# Altium PCB ANALOG_Mezzanine.PcbDoc (part 2 of 3)
Units mm, origin at the board's own origin, x right, y up, seen from the top; angles counter-clockwise.
Board outline 133.2 x 100 mm, 4 copper layers (Top Layer, Mid-Layer 1, Mid-Layer 2, Bottom Layer), stack 2.051 mm thick; 365 components, 255 nets, 1154 pads, 339 vias.
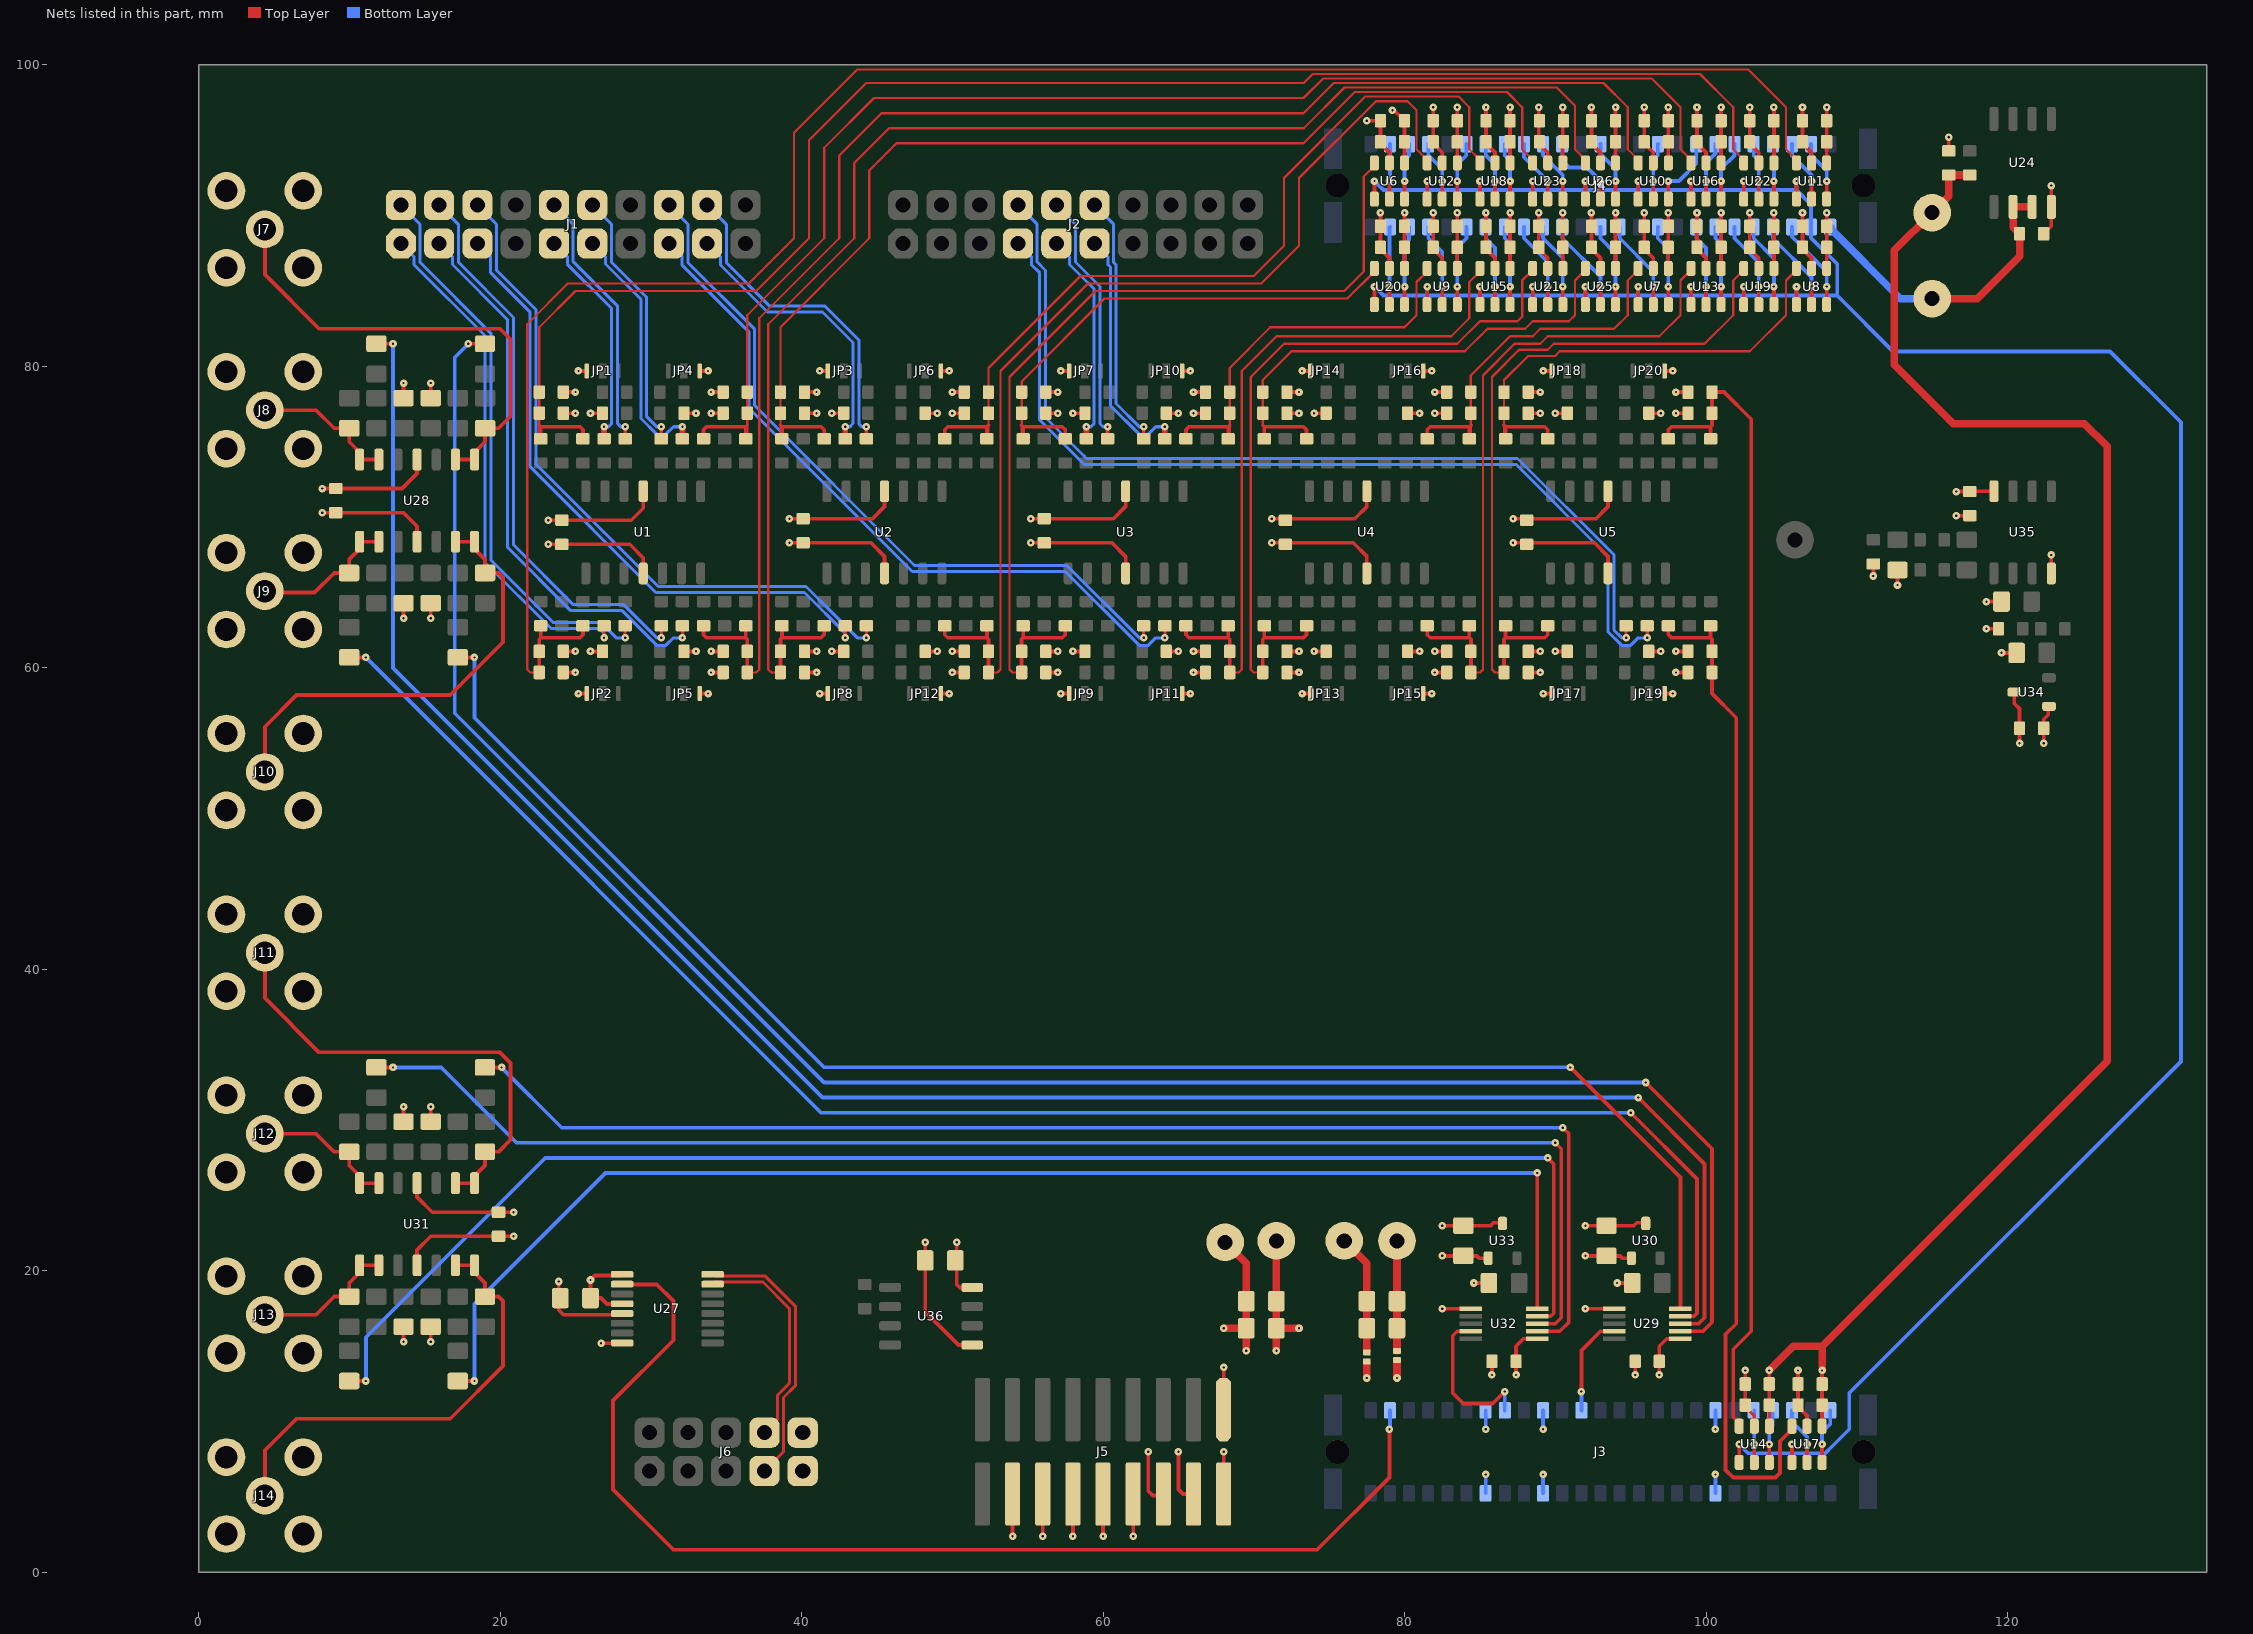
[diagram p4: the nets of this part, all layers, seen from the top]

## Via types
v1: diameter 0.5, hole 0.15, Top Layer to Bottom Layer, tented both sides, 339 vias

## Nets (pads, with @x,y where several pads share a name; then routed paths per layer and width w, separated by ;. In a path a pad name is that pad's centre, name@x,y a point inside that pad or via, vN(x,y) a via of type N, cw(c..) or ccw(c..) an arc to the next point about the centre after c; other vN are vias at no path point)
3VREFF: C67.2 C68.2 C69.2 C70.2 C71.2 C72.2 C73.2 C74.2 C75.2 C76.2 C77.2 C78.2 C79.2 C80.2 C81.2 C82.2 C83.2 C84.2 C85.2 C86.2 C87.2 C88.2 C89.2 C90.2 C91.2 C92.2 C93.2 C94.2 C95.2 C96.2 C97.2 C98.2 C99.2 C100.2 C101.2 C102.2 C103.2 C104.2 C105.2 C106.2 C107.2 R142.2 TP4.1 U6.1 U7.1 U8.1 U9.1 U10.1 U11.1 U12.1 U13.1 U14.1 U15.1 U16.1 U17.1 U18.1 U19.1 U20.1 U21.1 U22.1 U23.1 U25.1 U26.1 | length 179.6
  Top Layer w0.25: v1(79.2,97) 79.25,97.05 C68.2@80,96.3 C69.2@80,94.9 U6.1@80,93.5 ; U20.1@80,86.5 C87.2@80,87.9 C86.2@80,89.3 v1(80,90.2) ; U9.1@83.5,86.5 C89.2@83.5,87.9 v1(83.5,90.2) ; U12.1@83.5,93.5 C71.2@83.5,94.9 v1(83.5,97.2) ; U15.1@87,86.5 C91.2@87,87.9 v1(87,90.2) ; U18.1@87,93.5 C73.2@87,94.9 v1(87,97.2) ; U21.1@90.5,86.5 C93.2@90.5,87.9 v1(90.5,90.2) ; U23.1@90.5,93.5 90.5,94.9 v1(90.5,97.2) ; U25.1@94,86.5 C95.2@94,87.9 v1(94,90.2) ; U26.1@94,93.5 C77.2@94,94.9 v1(94,97.2) ; U7.1@97.5,86.5 C97.2@97.5,87.9 v1(97.5,90.2) ; U10.1@97.5,93.5 C79.2@97.5,94.9 v1(97.5,97.2) ; U13.1@101,86.5 C99.2@101,87.9 v1(101,90.2) ; U16.1@101,93.5 C81.2@101,94.9 C80.2@101,96.3 v1(101,97.2) ; U14.1@104.2,9.7 C105.2@104.2,11.1 v1(104.2,13.4) ; U19.1@104.5,86.5 C101.2@104.5,87.9 v1(104.5,90.2) ; U22.1@104.5,93.5 C83.2@104.5,94.9 v1(104.5,97.2) ; U17.1@107.7,9.7 C107.2@107.7,11.1 v1(107.7,13.4) ; U8.1@108,86.5 C103.2@108,87.9 v1(108,90.2) ; U11.1@108,93.5 C85.2@108,94.9 v1(108,97.2)
  Top Layer w0.5: v1(104.2,13.4) 105.8,15 107.7,15 ; v1(107.7,13.4) 107.7,14.6 107.7,15 ; R142.2@117.5,92.7 C67.2@116.1,92.7 116.1,91.3 TP4.1@115,90.2 112.5,87.7 112.5,80.1 116.4,76.2 125.1,76.2 126.6,74.7 126.6,33.9 107.7,15
  Bottom Layer w0.25: TP4.1@115,90 TP4.1@115,90.2
+3V3_A: C37.2 C38.2 C39.2 C50.2 C53.2 C111.2 C127.2 C135.2 C137.1 C138.1 C142.2 NT1.2 TP7.1 U1.4 U2.4 U3.4 U4.4 U5.4 U28.4 U31.4 U34.1 U35.8 | length 67.2
  Top Layer w0.25: v1(8.2,71.9) C111.2@9.1,71.9 ; U31.4@14.5,25.825 14.5,24.9 15.5,23.9 C127.2@19.9,23.9 v1(20.9,23.9) ; U28.4@14.5,73.825 14.5,72.9 13.5,71.9 10.1,71.9 ; v1(23.2,68.2) C37.2@24.1,68.2 28.6,68.2 29.5,67.3 29.5,66.3 U1.4@29.5,66.275 ; v1(39.2,68.3) C38.2@40.1,68.3 44.6,68.3 45.5,67.4 U2.4@45.5,66.4 ; v1(55.2,68.3) C39.2@56.1,68.3 60.6,68.3 61.5,67.4 U3.4@61.5,66.4 ; v1(71.2,68.3) 76.6,68.3 77.5,67.4 U4.4@77.5,66.4 ; v1(87.2,68.3) 92.6,68.3 93.5,67.4 U5.4@93.5,66.4 ; v1(116.6,71.7) C142.2@117.5,71.7 ; C142.2@117.5,71.725 U35.8@119.095,71.725 ; v1(122.4,55) C135.2@122.4,56 122.4,56.6 122.7,56.9 122.7,57.4 U34.1@122.75,57.45 ; C111.2@9.1,71.9 10.1,71.9 ; C111.2@9.1,71.9 10.1,71.9
  Top Layer w0.5: NT1.2@79.5,14.7 C137.1@79.5,16.2 C138.1@79.5,18 TP7.1@79.5,22
+3V3_D: C108.2 C114.2 C117.2 C125.2 C129.2 C133.1 C134.1 C143.2 J3.a7 J3.b7 J5.1 J6.10 NT1.1 TP6.1 U27.1 U27.4 U29.1 U30.1 U32.1 U33.1 U36.8 | length 42.3
  Top Layer w0.25: U27.4@28.1,17.825 28.175,17.825 28.2,17.8 27.1,17.8 26.7,18.2 C143.2@26,18.2 v1(26,19.4) 26.3,19.7 28.1,19.7 U27.1@28.1,19.775 ; v1(50.3,21.9) 50.3,20.7 50.3,19.1 50.495,18.905 U36.8@51.325,18.905 ; J5.1@68,10.8 v1(68,13.6) ; v1(82.5,21) C125.2@83.9,21 84.8,21 84.9,20.9 84.95,20.85 U33.1@85.55,20.85 ; v1(87.4,13.1) C129.2@87.4,14 87.4,15 87.9,15.5 U32.1@88.8,15.5 ; v1(92,21) C114.2@93.4,21 94.3,21 94.4,20.9 94.45,20.85 U30.1@95.05,20.85 ; v1(96.9,13.1) 96.9,15 97.4,15.5 U29.1@98.3,15.5
  Top Layer w0.5: v1(68,16.2) C133.1@69.5,16.2 ; TP6.1@68,22 69.5,20.5 C134.1@69.5,18 ; v1(79.5,12.9) NT1.1@79.5,13.95 ; C133.1@69.5,16.2 C134.1@69.5,18 ; C133.1@69.5,16.2 v1(69.5,14.7) C134.1@69.5,18
  Bottom Layer w0.25: v1@26,19.3 v1(26,19.4) ; J3.a7@85.38,5.25 v1(85.38,6.5) ; v1(85.38,9.5) J3.b7@85.38,10.75
+5V: C66.2 J4.a25 TP3.1 U24.2 U24.3 | length 20.5
  Top Layer w0.5: TP3.1@115,84.5 118,84.5 120.8,87.3 C66.2@120.8,88.8 120.365,89.235 U24.2@120.365,90.579 U24.3@121.635,90.579
  Bottom Layer w0.25: J4.a25@108.24,89.25 108.25,89.25 J4.a25@108.3,89.2
  Bottom Layer w0.5: J4.a25@108.3,89.2 108.3,89.1 112.9,84.5 TP3.1@115,84.5
\S\P\I\A\_\S\T\E\: J3.b12 U29.9 | length 6.7
  Top Layer w0.25: v1(91.73,12) 91.73,14.73 93,16 U29.9@93.9,16
  Bottom Layer w0.25: J3.b12@91.73,10.75 v1(91.73,12)
\S\P\I\B\_\S\T\E\: J3.b8 U32.9 | length 10.4
  Top Layer w0.25: U32.9@84.4,16 83.5,16 83.2,15.7 83.2,11.9 83.9,11.2 85.85,11.2 v1(86.65,12)
  Bottom Layer w0.25: J3.b8@86.65,10.75 v1(86.65,12)
\S\P\I\C\_\S\T\E\: J3.b2 U27.2 | length 77.6
  Top Layer w0.25: U27.2@28.1,19.125 28.1,19.1 30.4,19.1 31.5,18 31.5,15.4 27.5,11.4 27.5,5.5 31.5,1.5 74.2,1.5 79,6.3 v1(79,9.5)
  Bottom Layer w0.25: v1(79,9.5) 79.03,9.53 J3.b2@79.03,10.75
\S\P\I\C\_\S\T\E\_N: J6.7 U27.16 | length 18.1
  Top Layer w0.2: U27.16@34.1,19.775 34.225,19.65 37.602,19.65 39.59,17.662 39.59,16.6 39.59,12.39 38.81,11.61 38.81,8 J6.7@37.54,6.73
\S\P\I\C\_\S\T\E\_P: J6.8 U27.15 | length 14.8
  Top Layer w0.2: U27.15@34.1,19.125 34.235,19.26 37.44,19.26 39.2,17.5 39.2,16.6 39.2,12.552 38.42,11.772 38.42,10.15 J6.8@37.54,9.27
ADC_CH0: C62.2 R109.2 R113.2 R117.1 U17.3 | length 67.7
  Top Layer w0.25: R109.2@97.5,62.8 97.5,62.2 97.7,62 100.3,62 ; R113.2@100.3,62.8 100.3,62 ; U17.3@105.7,9.6 105.7,9.5 104.9,8.7 104.9,6.6 104.6,6.3 101.8,6.3 101.3,6.8 101.3,15.8 102,16.5 102,56.7 100.4,58.3 C62.2@100.4,61.1 100.4,61.9 100.3,62
ADC_CH0_CS: J3.b25 U17.6 | length 3.7
  Top Layer w0.25: U17.6@107.7,7.3 v1(107.7,8.5)
  Bottom Layer w0.25: v1(107.7,8.5) 107.7,9.3 108.24,9.84 J3.b25@108.24,10.75
ADC_CH0_SDO: J3.b23 U17.5 | length 3.9
  Top Layer w0.25: U17.5@106.7,7.3 v1(106.7,8.5)
  Bottom Layer w0.25: J3.b23@105.7,10.75 105.7,10 106.7,9 v1(106.7,8.5)
ADC_CH1: C4.2 R1.2 R7.2 R13.1 U22.3 | length 107.1
  Top Layer w0.15: R7.2@22.6,75.3 22.6,76.1 C4.2@22.6,76.9 R13.1@22.6,78.3 22.6,82.6 25,85 37,85 40.5,88.5 40.5,95 44.3,98.8 73.307,98.8 73.907,99.4 76.4,99.4 ; 75.9,99.4 76.4,99.4 ; U22.3@102.5,93.7 101.8,94.4 101.8,97.2 99.6,99.4 76.4,99.4
  Top Layer w0.25: 22.6,76.1 22.7,76 ; R7.2@22.7,75.2 22.7,76 ; R1.2@25.5,75.2 25.5,75.8 25.3,76 22.7,76 ; U22.3@102.5,93.5 U22.3@102.5,93.7
ADC_CH1_CS: J4.b22 U22.6 | length 3.7
  Top Layer w0.25: U22.6@104.5,91.1 v1(104.5,92.3)
  Bottom Layer w0.25: J4.b22@104.43,94.75 104.5,94.68 v1(104.5,92.3)
ADC_CH1_SDO: J4.b21 U22.5 | length 3.8
  Top Layer w0.25: U22.5@103.5,91.1 v1(103.5,92.3)
  Bottom Layer w0.25: J4.b21@103.16,94.75 103.16,94 103.5,93.66 v1(103.5,92.3)
ADC_CH2: C13.2 R19.2 R25.2 R31.1 U16.3 | length 89.2
  Top Layer w0.15: R25.2@36.4,75.3 36.4,76.1 C13.2@36.4,76.9 R31.1@36.4,78.3 36.4,83.4 41.5,88.5 41.5,94.5 44.8,97.8 73.3,97.8 74.6,99.1 76.4,99.1 96.4,99.1 98.3,97.2 98.3,94.4 U16.3@99,93.7
  Top Layer w0.25: R19.2@33.5,75.2 33.5,75.8 33.7,76 36.3,76 ; R25.2@36.3,75.2 36.3,76 ; 36.4,76.1 36.3,76 ; U16.3@99,93.5 U16.3@99,93.7
ADC_CH2_CS: J4.b20 U16.6 | length 4
  Top Layer w0.25: U16.6@101,91.1 v1(101,92.3)
  Bottom Layer w0.25: v1(101,92.3) 101,93.11 101.89,94 J4.b20@101.89,94.75
ADC_CH2_SDO: J4.b19 U16.5 | length 3.9
  Top Layer w0.25: U16.5@100,91.1 v1(100,92.3)
  Bottom Layer w0.25: v1(100,92.3) 100,93.5 100.62,94.12 J4.b19@100.62,94.75
ADC_CH3: C6.2 R3.2 R9.2 R15.1 U11.3 | length 130
  Top Layer w0.15: R15.1@22.6,59.7 22,59.7 21.8,59.9 21.8,82.8 24.5,85.5 36.5,85.5 39.5,88.5 39.5,95.5 43.7,99.7 76.4,99.7 102.8,99.7 105.3,97.2 105.3,94.4 U11.3@106,93.7
  Top Layer w0.25: R15.1@22.6,59.7 C6.2@22.6,61.1 22.6,61.9 22.7,62 ; R9.2@22.7,62.8 22.7,62 ; R3.2@25.5,62.8 25.5,62.2 25.3,62 22.7,62 ; U11.3@106,93.5 U11.3@106,93.7
ADC_CH3_CS: J4.b24 U11.6 | length 4.1
  Top Layer w0.25: U11.6@108,91.1 v1(108,92.3)
  Bottom Layer w0.25: J4.b24@106.97,94.75 106.97,94.03 108,93 v1(108,92.3)
ADC_CH3_SDO: J4.b23 U11.5 | length 4.2
  Top Layer w0.25: U11.5@107,91.1 v1(107,92.3)
  Bottom Layer w0.25: J4.b23@105.7,94.75 105.7,94 107,92.7 v1(107,92.3)
ADC_CH4: C15.2 R21.2 R27.2 R33.1 U10.3 | length 102.7
  Top Layer w0.15: R33.1@36.4,59.7 37,59.7 37.2,59.9 37.2,83.2 42.5,88.5 42.5,94 45.3,96.8 73.3,96.8 75.3,98.8 76.4,98.8 93.2,98.8 94.8,97.2 94.8,94.4 U10.3@95.5,93.7
  Top Layer w0.25: R21.2@33.5,62.8 33.5,62.2 33.7,62 36.3,62 ; R27.2@36.3,62.8 36.3,62 ; R33.1@36.4,59.7 C15.2@36.4,61.1 36.4,61.9 36.3,62 ; U10.3@95.5,93.5 U10.3@95.5,93.7
ADC_CH4_CS: J4.b18 U10.6 | length 4.8
  Top Layer w0.25: U10.6@97.5,91.1 v1(97.5,92.3)
  Bottom Layer w0.25: v1(97.5,92.3) 98.2,92.3 99.35,93.45 J4.b18@99.35,94.75
ADC_CH4_SDO: J4.b16 U10.5 | length 3.8
  Top Layer w0.25: U10.5@96.5,91.1 v1(96.5,92.3)
  Bottom Layer w0.25: v1(96.5,92.3) 96.5,93.7 96.8,94 96.8,94.74 J4.b16@96.81,94.75
ADC_CH5: C22.2 R37.2 R43.2 R49.1 U20.3 | length 34.7
  Top Layer w0.15: R43.2@54.6,75.3 54.6,76.1 C22.2@54.6,76.9 R49.1@54.6,78.3 54.6,79 60.1,84.5 76.2,84.5 78,86.3 U20.3@78,86.5
  Top Layer w0.25: 54.6,76.1 54.7,76 ; R43.2@54.7,75.2 54.7,76 ; R37.2@57.5,75.2 57.5,75.8 57.3,76 54.7,76
ADC_CH5_CS: J4.a3 U20.6 | length 5.3
  Top Layer w0.25: U20.6@80,84.1 v1(80,85.3)
  Bottom Layer w0.25: v1(80,85.3) 80,88.1 80.3,88.4 J4.a3@80.3,89.25
ADC_CH5_SDO: J4.a2 U20.5 | length 5.2
  Top Layer w0.25: U20.5@79,84.1 v1(79,85.3)
  Bottom Layer w0.25: v1(79,85.3) 79,89.22 J4.a2@79.03,89.25
ADC_CH6: C31.2 R55.2 R61.2 R67.1 U9.3 | length 26.3
  Top Layer w0.15: R61.2@68.4,75.3 68.4,76.1 C31.2@68.4,76.9 R67.1@68.4,78.3 68.4,79.9 71.1,82.6 80,82.6 80.8,83.4 80.8,85.6 81.5,86.3 U9.3@81.5,86.5
  Top Layer w0.25: R55.2@65.5,75.2 65.5,75.8 65.7,76 68.3,76 ; R61.2@68.3,75.2 68.3,76 ; 68.4,76.1 68.3,76
ADC_CH6_CS: J4.a6 U9.6 | length 5.4
  Top Layer w0.25: U9.6@83.5,84.1 v1(83.5,85.3)
  Bottom Layer w0.25: v1(83.5,85.3) 83.5,87.89 84.11,88.5 J4.a6@84.11,89.25
ADC_CH6_SDO: J4.a4 U9.5 | length 5.5
  Top Layer w0.25: U9.5@82.5,84.1 v1(82.5,85.3)
  Bottom Layer w0.25: J4.a4@81.57,89.25 81.57,88.53 82.5,87.6 v1(82.5,85.3)
ADC_CH7: C23.2 R38.2 R44.2 R50.1 U26.3 | length 97.9
  Top Layer w0.15: R50.1@38.6,59.7 38,59.7 37.8,59.9 37.8,82.8 43.5,88.5 43.5,93.5 45.8,95.8 73.314,95.8 76.014,98.5 76.4,98.5 90.1,98.5 91.3,97.3 91.3,94.4 U26.3@92,93.7
  Top Layer w0.25: R50.1@38.6,59.7 C23.2@38.6,61.1 38.6,61.9 38.7,62 ; R44.2@38.7,62.8 38.7,62 ; R38.2@41.5,62.8 41.5,62.2 41.3,62 38.7,62 ; U26.3@92,93.5 U26.3@92,93.7
ADC_CH7_CS: J4.b13 U26.6 | length 4.1
  Top Layer w0.25: U26.6@94,91.1 v1(94,92.3)
  Bottom Layer w0.25: J4.b13@93,94.75 93,94.1 94,93.1 v1(94,92.3)
ADC_CH7_SDO: J4.b11 U26.5 | length 5.4
  Top Layer w0.25: U26.5@93,91.1 v1(93,92.3)
  Bottom Layer w0.25: J4.b11@90.46,94.75 90.46,93.64 90.9,93.2 92.1,93.2 v1(93,92.3)
ADC_CH8: C33.2 R57.2 R63.2 R69.1 U15.3 | length 47.4
  Top Layer w0.15: R69.1@68.4,59.7 69,59.7 69.2,59.9 69.2,79.7 71.5,82 83.1,82 84.3,83.2 84.3,85.6 85,86.3 U15.3@85,86.5
  Top Layer w0.25: R57.2@65.5,62.8 65.5,62.2 65.7,62 68.3,62 ; R63.2@68.3,62.8 68.3,62 ; R69.1@68.4,59.7 C33.2@68.4,61.1 68.4,61.9 68.3,62
ADC_CH8_CS: J4.a8 U15.6 | length 5.3
  Top Layer w0.25: U15.6@87,84.1 v1(87,85.3)
  Bottom Layer w0.25: J4.a8@86.65,89.25 86.65,88.5 87,88.15 v1(87,85.3)
ADC_CH8_SDO: J4.a7 U15.5 | length 5.4
  Top Layer w0.25: U15.5@86,84.1 v1(86,85.3)
  Bottom Layer w0.25: J4.a7@85.38,89.25 85.38,88.5 86,87.88 v1(86,85.3)
ADC_CH9: C5.2 R2.2 R8.2 R14.1 U23.3 | length 74.4
  Top Layer w0.15: R8.2@38.6,75.3 38.6,76.1 C5.2@38.6,76.9 R14.1@38.6,78.3 38.6,82.6 44.5,88.5 44.5,93 46.3,94.8 73.3,94.8 76.7,98.2 86.8,98.2 87.8,97.2 87.8,94.4 U23.3@88.5,93.7
  Top Layer w0.25: 38.6,76.1 38.7,76 ; R8.2@38.7,75.2 38.7,76 ; R2.2@41.5,75.2 41.5,75.8 41.3,76 38.7,76 ; U23.3@88.5,93.5 U23.3@88.5,93.7
ADC_CH9_CS: J4.b10 U23.6 | length 4.2
  Top Layer w0.25: U23.6@90.5,91.1 v1(90.5,92.3)
  Bottom Layer w0.25: J4.b10@89.19,94.75 89.19,94.01 90.5,92.7 v1(90.5,92.3)
ADC_CH9_SDO: J4.b9 U23.5 | length 4.3
  Top Layer w0.25: U23.5@89.5,91.1 v1(89.5,92.3)
  Bottom Layer w0.25: J4.b9@87.92,94.75 87.92,93.88 v1(89.5,92.3)
ADC_CH10: C14.2 R20.2 R26.2 R32.1 U18.3 | length 55.3
  Top Layer w0.15: R26.2@52.4,75.3 52.4,76.1 C14.2@52.4,76.9 R32.1@52.4,78.3 52.4,79.9 58.5,86 70,86 72,88 72,92.5 77.4,97.9 83.6,97.9 84.3,97.2 84.3,94.4 U18.3@85,93.7
  Top Layer w0.25: R20.2@49.5,75.2 49.5,75.8 49.7,76 52.3,76 ; R26.2@52.3,75.2 52.3,76 ; 52.4,76.1 52.3,76 ; U18.3@85,93.5 U18.3@85,93.7
ADC_CH10_CS: J4.b8 U18.6 | length 3.8
  Top Layer w0.25: U18.6@87,91.1 v1(87,92.3)
  Bottom Layer w0.25: J4.b8@86.65,94.75 86.65,94 87,93.65 v1(87,92.3)
ADC_CH10_SDO: J4.b7 U18.5 | length 3.9
  Top Layer w0.25: U18.5@86,91.1 v1(86,92.3)
  Bottom Layer w0.25: J4.b7@85.38,94.75 85.38,94.02 86,93.4 v1(86,92.3)
ADC_CH11: C24.2 R39.2 R45.2 R51.1 U6.3 | length 60.8
  Top Layer w0.15: R51.1@54.6,59.7 54,59.7 53.8,59.9 53.8,79.3 59.5,85 76,85 77.3,86.3 77.3,92.6 78,93.3 U6.3@78,93.5
  Top Layer w0.25: R51.1@54.6,59.7 C24.2@54.6,61.1 54.6,61.9 54.7,62 ; R45.2@54.7,62.8 54.7,62 ; R39.2@57.5,62.8 57.5,62.2 57.3,62 54.7,62
ADC_CH11_CS: J4.b3 U6.6 | length 3.8
  Top Layer w0.25: U6.6@80,91.1 v1(80,92.3)
  Bottom Layer w0.25: v1(80,92.3) 80,93.7 80.3,94 J4.b3@80.3,94.75
ADC_CH11_SDO: J4.b2 U6.5 | length 3.7
  Top Layer w0.25: U6.5@79,91.1 v1(79,92.3)
  Bottom Layer w0.25: v1(79,92.3) 79.03,92.33 J4.b2@79.03,94.75
ADC_CH12: C32.2 R56.2 R62.2 R68.1 U12.3 | length 69.1
  Top Layer w0.15: R68.1@52.4,59.7 53,59.7 53.2,59.9 53.2,79.7 59,85.5 70.5,85.5 73,88 73,92.5 78.1,97.6 80.2,97.6 80.8,97 80.8,94.4 U12.3@81.5,93.7
  Top Layer w0.25: R56.2@49.5,62.8 49.5,62.2 49.7,62 52.3,62 ; R62.2@52.3,62.8 52.3,62 ; R68.1@52.4,59.7 C32.2@52.4,61.1 52.4,61.9 52.3,62 ; U12.3@81.5,93.4 U12.3@81.5,93.5 U12.3@81.5,93.7
ADC_CH12_CS: J4.b6 U12.6 | length 3.9
  Top Layer w0.25: U12.6@83.5,91.1 v1(83.5,92.3)
  Bottom Layer w0.25: v1(83.5,92.3) 83.5,93.4 84.1,94 84.1,94.74 J4.b6@84.11,94.75
ADC_CH12_SDO: J4.b4 U12.5 | length 4
  Top Layer w0.25: U12.5@82.5,91.1 v1(82.5,92.3)
  Bottom Layer w0.25: J4.b4@81.57,94.75 81.57,94.03 82.5,93.1 v1(82.5,92.3)
ADC_CH13: C43.2 R74.2 R78.2 R82.1 U25.3 | length 33.3
  Top Layer w0.15: 70.6,76.1 C43.2@70.6,76.9 R82.1@70.6,78.3 70.6,79.1 72.5,81 84,81 85.5,82.5 88,82.5 88.5,83 90.9,83 91.3,83.4 91.3,85.7 92,86.4 U25.3@92,86.5
  Top Layer w0.25: 70.6,76.1 70.7,76 ; R78.2@70.7,75.2 70.7,76 ; R74.2@73.5,75.2 73.5,75.8 73.3,76 70.7,76
ADC_CH13_CS: J4.a13 U25.6 | length 5.6
  Top Layer w0.25: U25.6@94,84.1 v1(94,85.3)
  Bottom Layer w0.25: J4.a13@93,89.25 93,88.5 94,87.5 v1(94,85.3)
ADC_CH13_SDO: J4.a11 U25.5 | length 6.2
  Top Layer w0.25: U25.5@93,84.1 v1(93,85.3)
  Bottom Layer w0.25: J4.a11@90.46,89.25 90.46,88.5 93,85.96 v1(93,85.3)
ADC_CH14: C49.2 R86.2 R90.2 R94.1 U7.3 | length 24
  Top Layer w0.15: R90.2@84.4,75.3 84.4,76.1 C49.2@84.4,76.9 R94.1@84.4,78.3 84.4,79.4 87,82 88.5,82 89,82.5 93.9,82.5 94.8,83.4 94.8,85.7 95.5,86.4 U7.3@95.5,86.5